# Altium PCB WunderBar_v102b _flip.PcbDoc (part 3 of 7) (continued)
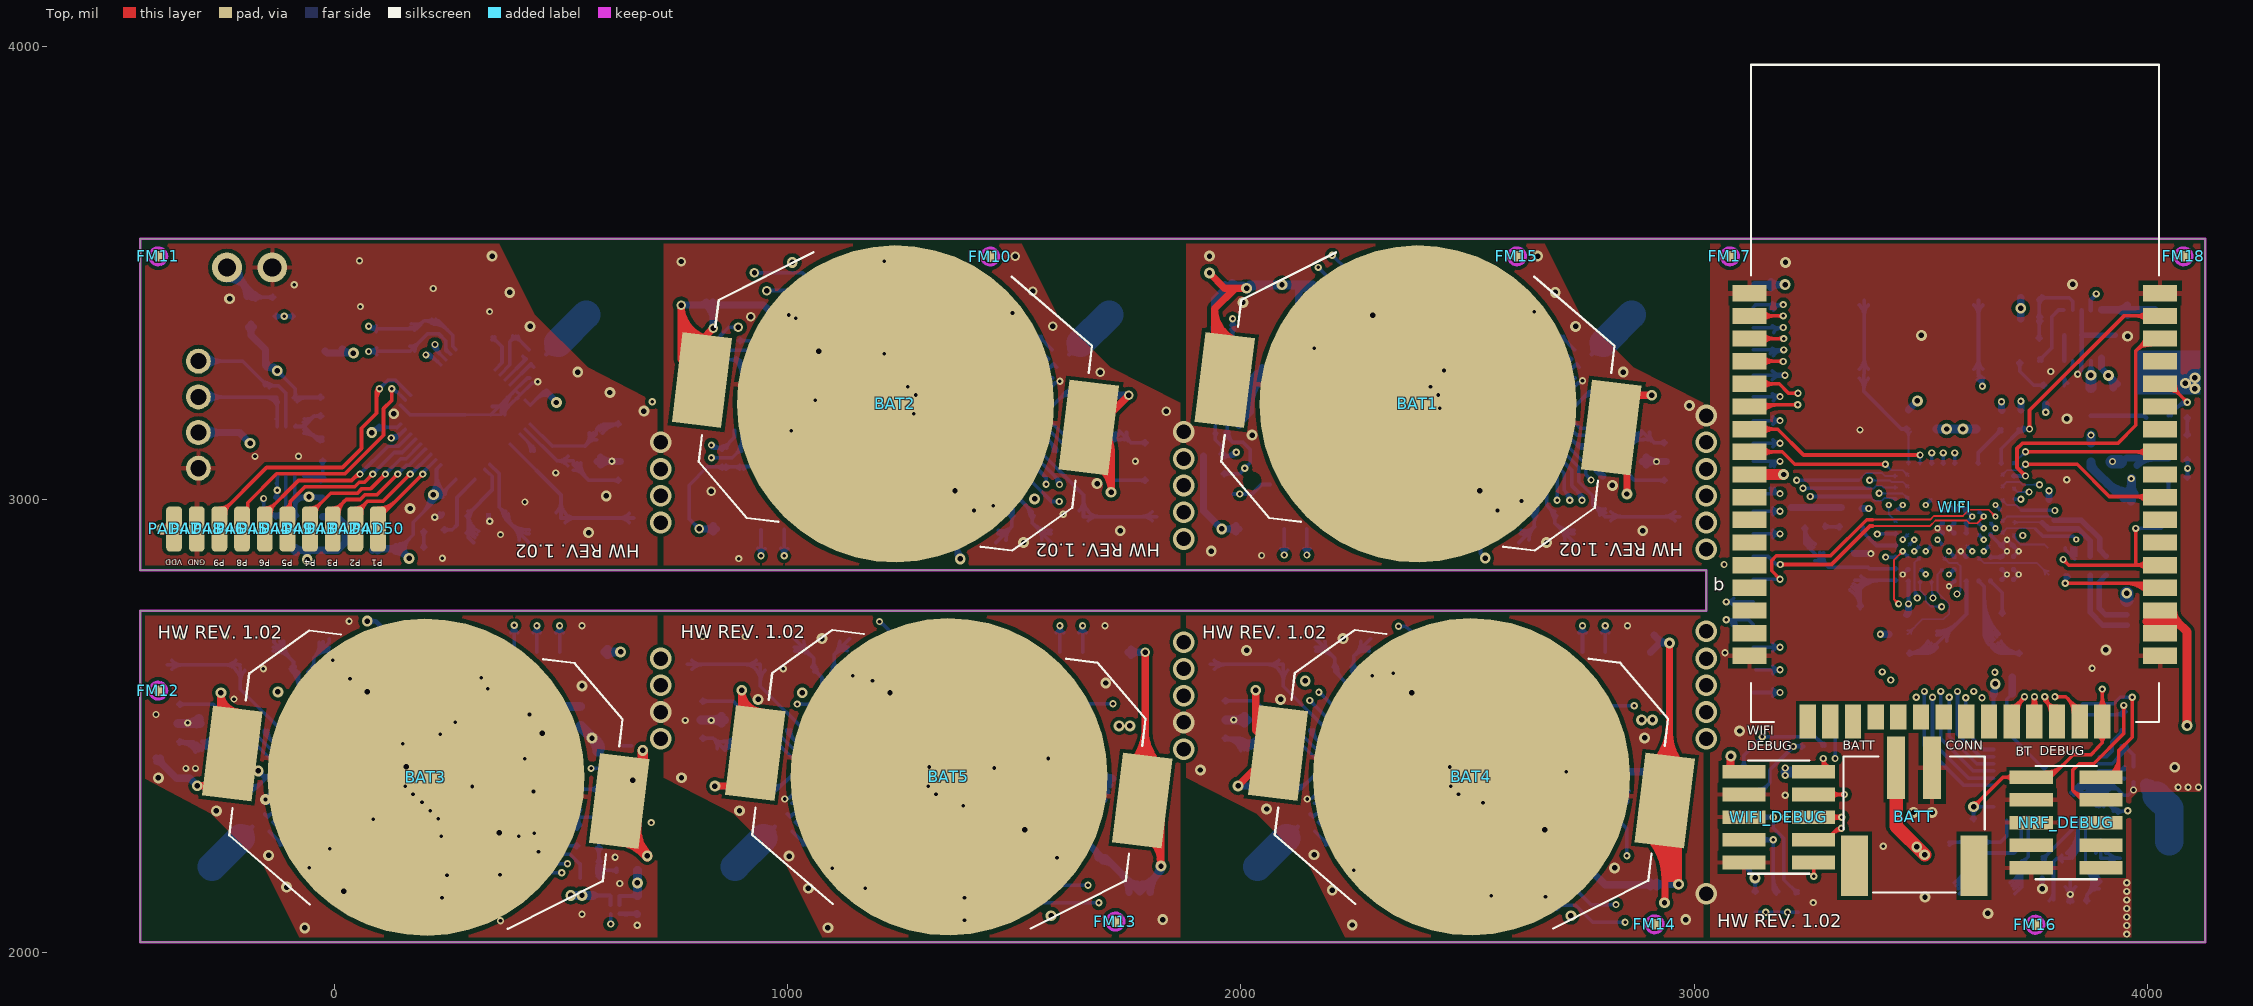
[diagram p0: Top view]
## Nets (pads, with @x,y where several pads share a name; then routed paths per layer and width w, separated by ;. In a path a pad name is that pad's centre, name@x,y a point inside that pad or via, vN(x,y) a via of type N, cw(c..) or ccw(c..) an arc to the next point about the centre after c; other vN are vias at no path point) (continued)
  Route15 w8: v6(890.52,3380.48) 1327.52,3380.48 1633,3075 1633,3020 1609,2996 v1(1599,2996) ; v6@895.12,3375.88 cw(c906.21,3364.79) 906.21,3380.48 cw(c906.21,3396.17) v6@895.12,3385.08 ; v1@1599,2992 ccw(c1599,3006.49) 1609.24,2996.24 ; v1@1599,3000 ccw(c1599,3033.8) 1622.9,3009.9 ; v1@1601.83,2993.17 cw(c1608.66,2986.34) 1608.66,2996 cw(c1608.66,3005.66) v1@1601.83,2998.83
  Bottom w8: v6@885.92,3375.88 ccw(c874.83,3364.79) 874.83,3380.48 ccw(c874.83,3396.17) v6@885.92,3385.08 ; v6(890.52,3380.48) 869.52,3380.48 851.52,3362.48 851.52,3342.48 865.52,3329.48 948.52,3329.48 969.52,3308.48 961.52,3300.48 SENSE2.12@961.52,3268.48 ; 958.71,3319.29 ccw(c969.52,3330.09) R21.1@969.52,3314.81 ; 959.51,3318.49 cw(c949.83,3308.81) R21.1@963.52,3308.81 ; SENSE2.12@961.52,3275.01 cw(c1003.32,3275.01) R21.1@973.76,3304.57 ; 961.52,3294.33 cw(c984.01,3294.33) R21.1@968.11,3310.23 ; BT2.44@1507.52,3089.48 1536,3061 1536,3042 1582,2996 v1(1599,2996) ; v1@1596.17,2993.17 ccw(c1589.34,2986.34) 1589.34,2996 ccw(c1589.34,3005.66) v1@1596.17,2998.83
GYRO_SCL: BT2.42 R19.1 SENSE2.23 | length 1128.9
  Route15 w8: v1(831.52,3092.48) 1540.52,3092.48 v1(1599.52,3033.48) ; v1@834.35,3089.65 cw(c841.18,3082.82) 841.18,3092.48 cw(c841.18,3102.14) v1@834.35,3095.31 ; v1@1595.52,3033.48 ccw(c1585.86,3033.48) 1592.69,3040.31 ccw(c1599.52,3047.14) v1@1599.52,3037.48
  Bottom w8: v1(831.52,3092.48) 877.52,3092.48 898.52,3113.48 SENSE2.23@898.52,3153.48 ; v1@834.35,3089.65 cw(c841.18,3082.82) 841.18,3092.48 cw(c841.18,3102.14) v1@834.35,3095.31 ; 887.71,3102.67 cw(c898.52,3091.87) R19.1@898.52,3107.15 ; 888.51,3103.47 ccw(c878.83,3113.15) R19.1@892.52,3113.15 ; R19.1@894.28,3117.39 ccw(c884.03,3127.63) 898.52,3127.63 ccw(c913.01,3127.63) R19.1@902.76,3117.39 ; BT2.42@1529.52,3111.48 1599.52,3041.48 v1(1599.52,3033.48) ; 1587.03,3053.97 cw(c1566.55,3033.48) v1@1595.52,3033.48
GYRO_SDA: BT2.43 R20.1 SENSE2.24 | length 1207.6
  Route15 w8: v1(831.52,3120.48) 1538.52,3120.48 1619,3040 1619,3026.48 1607.52,3015 1589,3015 v1(1570,3034) ; v1@834.35,3117.65 cw(c841.18,3110.82) 841.18,3120.48 cw(c841.18,3130.14) v1@834.35,3123.31 ; v1@1570,3030 cw(c1570,3020.34) 1576.83,3027.17 cw(c1583.66,3034) v1@1574,3034
  Bottom w8: v1@828.69,3117.65 ccw(c838.76,3127.72) 838.76,3113.48 ; v1@831.52,3116.48 cw(c831.52,3106.82) 838.35,3113.65 cw(c845.18,3120.48) v1@835.52,3120.48 ; v1(831.52,3120.48) 838.52,3113.48 859.52,3113.48 882.52,3137.48 SENSE2.24@882.52,3153.48 ; v1@834.35,3123.31 ccw(c858.08,3147.04) R20.1@858.08,3113.48 ; 844.24,3113.48 cw(c844.24,3097.87) R20.1@855.28,3108.91 ; 845.83,3113.48 ccw(c845.83,3126.84) R20.1@855.28,3117.39 ; R20.1@859.39,3119.15 ccw(c859.1,3132.85) 868.99,3123.37 ; R20.1@865.52,3113.28 cw(c880.78,3113.6) 869.76,3124.16 ; BT2.43@1518.52,3100.48 1570,3049 v1(1570,3034) ; v1@1567.17,3036.83 ccw(c1560.34,3043.66) 1570,3043.66 ccw(c1579.66,3043.66) v1@1572.83,3036.83
L\P\C\_\R\E\S\E\T\: LPC_DEBUG.10 R38.1 RST.P1 RST.P2 U1.J11 | length 2095
  Route2 w8: v2@3134.52,2157.48 cw(c3134.52,2138.17) 3148.18,2151.82 cw(c3161.83,2165.48) v2@3142.52,2165.48 ; v2(3134.52,2165.48) 3164,2136 3315.52,2136 3349.43,2169.91 3349.43,2347.72 3373.91,2372.2 3373.91,2462.95 3363.91,2472.95 3363.91,2814.8 v1(3422.35,2873.25) 3422.35,2923.44 3636,3137.09 v1(3636,3250.48) ; v1@3418.35,2873.25 cw(c3408.69,2873.25) 3415.52,2866.42 cw(c3422.35,2859.59) v1@3422.35,2869.25 ; v1@3419.52,2876.07 ccw(c3412.69,2882.9) 3422.35,2882.9 ccw(c3432.01,2882.9) v1@3425.18,2876.07 ; v1@3633.17,3247.65 cw(c3626.34,3240.82) 3636,3240.82 cw(c3645.66,3240.82) v1@3638.83,3247.65
  Bottom w8: LPC_DEBUG.10@3109.52,2199.48 3109.52,2191.48 v2(3134.52,2165.48) R38.1@3134.52,2131.48 ; v2@3126.52,2165.64 ccw(c3107.21,2166.02) 3121.13,2179.4 ccw(c3135.06,2192.79) v2@3134.68,2173.48 ; v2@3128.86,2159.82 cw(c3115.21,2146.17) 3134.52,2146.17 cw(c3153.83,2146.17) v2@3140.18,2159.82 ; R38.1@3130.28,2135.39 ccw(c3120.03,2145.63) 3134.52,2145.63 ccw(c3149.01,2145.63) R38.1@3138.76,2135.39 ; v1(3422.35,2873.25) U1.J11@3447.26,2873.25 ; v1@3425.18,2870.42 cw(c3432.01,2863.59) 3432.01,2873.25 cw(c3432.01,2882.9) v1@3425.18,2876.07 ; U1.J11@3445.14,2871.12 ccw(c3440.01,2866) 3440.01,2873.25 ccw(c3440.01,2880.49) U1.J11@3445.14,2875.37 ; RST.P2@3617.12,3287.67 ccw(c3592,3312.79) 3627.52,3312.79 ; RST.P1@3617.12,3429.58 cw(c3592,3404.46) 3627.52,3404.46 ; RST.P2@3625.01,3264.36 cw(c3620.6,3249.6) v1@3636,3249.6 ; RST.P2@3627.02,3277.77 3636,3268.79 v1(3636,3250.48) ; RST.P2@3627.3,3272.02 cw(c3623.81,3260.34) RST.P2@3636,3260.34 ; RST.P2@3627.52,3277.48 RST.P1@3627.52,3439.48 ; 3627.52,3310.35 ccw(c3659.6,3310.35) RST.P2@3636.92,3287.67 ; 3627.52,3406.9 cw(c3659.6,3406.9) RST.P1@3636.92,3429.58 ; v1@3633.17,3253.31 ccw(c3626.34,3260.14) 3636,3260.14 ccw(c3645.66,3260.14) v1@3638.83,3253.31 ; RST.P2@3636,3260.83 cw(c3645.95,3260.83) RST.P2@3638.92,3267.87
LED_A: LED10.A R27.1 | length 523.5
  Bottom w16: R27.1@1769.29,2269.23 ccw(c1693.9,2344.62) LED10.A@1800.52,2344.62 ; R27.1@1776.52,2256.5 1800.52,2279.48 LED10.A@1800.52,2388.48 ; R27.1@1780.61,2257.92 ccw(c1732.53,2306) 1800.52,2306 ; LED10.A@1783.55,2357.99 cw(c1742.57,2317.01) LED10.A@1800.52,2317.01 ; LED10.A@1792.43,2320.9 cw(c1772.9,2301.37) 1800.52,2301.37 ; LED10.A@1792.43,2337.43 ccw(c1772.9,2356.96) LED10.A@1800.52,2356.96 ; 1800.52,2300.54 cw(c1829.32,2300.54) LED10.A@1808.96,2320.9 ; 1800.52,2308.73 cw(c1867.09,2308.73) LED10.A@1820.02,2355.81 ; LED10.A@1800.52,2347.36 cw(c1828.47,2347.36) LED10.A@1808.7,2367.12 ; LED10.A@1800.52,2357.79 ccw(c1829.32,2357.79) LED10.A@1808.96,2337.43 ; LED10.A@1802.08,2353.17 ccw(c1814.96,2349.72) LED10.A@1807.36,2338.76 ; LED10.A@1818.79,2353.83 ccw(c1833.46,2344.69) LED10.A@1818.87,2335.43
LED_CTRL: BT5.44 R26.2 T1.1 | length 1152.1
  Route15 w8: v1@1021,2549.48 v1(1717.52,2549.48) ; v1@1023.83,2546.17 cw(c1031.82,2538.18) 1031.82,2549.48 ; v1@1023.83,2551.83 ccw(c1029.5,2557.5) 1029.5,2549.48 ; v1@1714.69,2546.65 ccw(c1707.86,2539.82) 1707.86,2549.48 ccw(c1707.86,2559.14) v1@1714.69,2552.31
  Bottom w8: v1(1021,2549) 1046.29,2549.17 BT5.44@1085.52,2510.48 ; v1@1023.81,2551.85 ccw(c1030.59,2558.72) 1030.66,2549.07 ccw(c1030.72,2539.41) v1@1023.85,2546.19 ; T1.1@1530.12,2444.08 R26.2@1568.52,2482.48 1635.52,2549.48 v1(1717.52,2549.48) ; T1.1@1530.12,2453.69 ccw(c1530.12,2476.9) 1546.53,2460.49 ; T1.1@1540.12,2443.69 cw(c1565.19,2443.69) 1547.46,2461.42 ; R26.2@1562.52,2482.48 cw(c1548.03,2482.48) 1558.28,2472.24 cw(c1568.52,2461.99) R26.2@1568.52,2476.48 ; R26.2@1568.52,2488.48 ccw(c1568.52,2502.97) 1578.76,2492.72 ccw(c1589.01,2482.48) R26.2@1574.52,2482.48 ; v1@1714.69,2546.65 ccw(c1707.86,2539.82) 1707.86,2549.48 ccw(c1707.86,2559.14) v1@1714.69,2552.31
LIGHT_INT: BT1.44 R10.1 SENSE3.5 | length 1164.4
  Route15 w8: v1(2008.52,3069.48) 2627.52,3069.48 v1(2697.52,2998.48) ; v1@2011.35,3066.65 cw(c2018.18,3059.82) 2018.18,3069.48 cw(c2018.18,3079.14) v1@2011.35,3072.31 ; v1@2693.52,2998.51 ccw(c2683.86,2998.58) 2690.74,3005.36 ccw(c2697.62,3012.14) v1@2697.55,3002.48
  Bottom w8: R10.1@1958.52,3057.48 1997.52,3057.48 v1(2008.52,3069.48) 2020.52,3081.48 2020.52,3110.48 2004.52,3126.48 1981.52,3126.48 ; R10.1@1963.43,3053.24 cw(c1973.67,3042.99) 1973.67,3057.48 cw(c1973.67,3071.97) R10.1@1963.43,3061.72 ; SENSE3.5@1965.54,3149.89 ccw(c1979.69,3148.43) 1969.63,3138.37 ; SENSE3.5@1966.69,3146.65 cw(c1959.86,3139.82) 1969.52,3139.82 cw(c1979.18,3139.82) SENSE3.5@1972.35,3146.65 ; SENSE3.5@1969.52,3163.48 1969.52,3138.48 1981.52,3126.48 ; SENSE3.5@1973.5,3149.07 ccw(c2001.24,3146.2) 1981.52,3126.48 ; v1@2004.52,3069.31 cw(c1994.88,3068.89) 2001.99,3062.36 cw(c2009.11,3055.84) v1@2008.69,3065.48 ; v1@2008.52,3073.48 ccw(c2008.52,3083.14) 2015.35,3076.31 ccw(c2022.18,3069.48) v1@2012.52,3069.48 ; BT1.44@2661.52,3089.48 2697.52,3052.48 v1(2697.52,2998.48) ; v1@2694.69,3001.31 ccw(c2687.86,3008.14) 2697.52,3008.14 ccw(c2707.18,3008.14) v1@2700.35,3001.31
LIGHT_SCL: BT1.42 R12.1 SENSE3.2 | length 1480.9
  Route15 w8: v1@1981.52,3395 cw(c1981.52,3385.34) 1988.35,3392.17 cw(c1995.18,3399) v1@1985.52,3399 ; v1(1981.52,3399) 2225.04,3155.48 2605.52,3155.48 2752.52,3008.48 v1(2752.52,2998.48) ; 2738.62,3022.38 cw(c2714.72,2998.48) v1@2748.52,2998.48 ; v1@2749.69,3001.31 ccw(c2742.86,3008.14) 2752.52,3008.14 ccw(c2762.18,3008.14) v1@2755.35,3001.31 ; 2752.28,3008.72 cw(c2742.03,2998.48) v1@2756.52,2998.48
  Bottom w8: SENSE3.2@1966.69,3243.8 ccw(c1959.86,3250.63) 1969.52,3250.63 ccw(c1979.18,3250.63) SENSE3.2@1972.35,3243.8 ; SENSE3.2@1969.52,3226.48 1969.52,3264.48 1981.52,3275.48 1981.52,3379.48 1982.52,3380.48 1981.52,3381.48 v1(1981.52,3399) ; R12.1@1977.95,3376.24 cw(c1969.32,3367.61) 1981.52,3367.61 ; R12.1@1977.95,3384.72 ccw(c1969.32,3393.35) v1@1981.52,3393.35 ; v1@1978.69,3396.17 cw(c1971.86,3389.34) 1981.52,3389.34 cw(c1991.18,3389.34) v1@1984.35,3396.17 ; v1@1978.75,3396.11 cw(c1974.22,3391.39) R12.1@1980.54,3389.7 ; v1@1979.52,3395.54 cw(c1975.76,3389.02) 1983.02,3390.97 ; 1981.52,3364.38 cw(c1998.29,3364.38) R12.1@1986.43,3376.24 ; v1@1981.52,3396.58 ccw(c1998.29,3396.58) R12.1@1986.43,3384.72 ; R12.1@1983.49,3389.24 cw(c1992.16,3391.57) v1@1984.8,3396.71 ; BT1.42@2683.52,3111.48 2729.52,3065.48 2729.52,3031.48 2752.52,3008.48 v1(2752.52,2998.48) ; 2738.62,3022.38 cw(c2714.72,2998.48) v1@2748.52,2998.48 ; v1@2749.69,3001.31 ccw(c2742.86,3008.14) 2752.52,3008.14 ccw(c2762.18,3008.14) v1@2755.35,3001.31 ; 2752.28,3008.72 cw(c2742.03,2998.48) v1@2756.52,2998.48
LIGHT_SCL1: BT4.43 R24.1 SENSE1.6 | length 1230.8
  Route15 w8: v1(2152,2557) 2509,2557 v1(2851.52,2214.48) ; v1@2154.83,2554.17 cw(c2161.66,2547.34) 2161.66,2557 cw(c2161.66,2566.66) v1@2154.83,2559.83 ; v1@2847.52,2214.48 ccw(c2837.86,2214.48) 2844.69,2221.31 ccw(c2851.52,2228.14) v1@2851.52,2218.48
  Bottom w8: v1@2152,2553 cw(c2152,2543.34) 2158.83,2550.17 cw(c2165.66,2557) v1@2156,2557 ; v1(2152,2557) 2194,2515 2211.14,2515 BT4.43@2226.36,2499.78 ; R24.1@2823.52,2296.15 cw(c2823.52,2280.87) 2834.33,2291.67 ; R24.1@2823.52,2308.15 ccw(c2823.52,2321.84) 2833.2,2312.16 ; 2833.53,2292.47 cw(c2843.21,2302.15) 2829.52,2302.15 cw(c2844.8,2302.15) 2834,2312.96 ; v1@2848.69,2217.31 ccw(c2841.86,2224.14) 2851.52,2224.14 ccw(c2861.18,2224.14) v1@2854.35,2217.31 ; SENSE1.6@2850.84,2357.28 cw(c2844.37,2350.81) 2853.52,2350.81 ; v1(2851.52,2214.48) 2851.52,2274.48 2823.52,2302.48 2853.52,2332.48 SENSE1.6@2853.52,2360.48 ; 2853.52,2350.09 cw(c2863.69,2350.09) SENSE1.6@2856.5,2357.28
LIGHT_SDA: BT1.43 R9.1 SENSE3.6 | length 1262.7
  Route15 w8: v1(1989.52,3104.48) 2630.52,3104.48 2725.52,3010.48 v1(2725.52,2998.48) ; v1@1992.35,3101.65 cw(c1999.18,3094.82) 1999.18,3104.48 cw(c1999.18,3114.14) v1@1992.35,3107.31 ; 2710.02,3025.82 cw(c2682.74,2998.25) v1@2721.52,2998.46 ; v1@2722.69,3001.31 ccw(c2715.86,3008.14) 2725.52,3008.14 ccw(c2735.18,3008.14) v1@2728.35,3001.31 ; 2723.75,3012.24 cw(c2710.05,2998.4) v1@2729.52,2998.5
  Bottom w8: SENSE3.6@1940.69,3146.65 cw(c1933.86,3139.82) 1943.52,3139.82 cw(c1953.18,3139.82) SENSE3.6@1946.35,3146.65 ; SENSE3.6@1943.52,3163.48 1943.52,3132.48 1957.52,3118.48 1957.52,3097.48 1958.52,3096.48 1981.52,3096.48 v1(1989.52,3104.48) ; R9.1@1954.95,3100.72 ccw(c1948.73,3106.94) 1957.52,3106.94 ; 1957.52,3115 ccw(c1977.7,3115) 1963.43,3100.72 ccw(c1973.67,3110.97) 1973.67,3096.48 ccw(c1973.67,3081.99) R9.1@1963.43,3092.24 ; R9.1@1960.55,3096.48 ccw(c1960.55,3133.45) v1@1986.69,3107.31 ; 1979.86,3096.48 ccw(c1979.86,3114.14) v1@1992.35,3101.65 ; v1@1985.52,3104.48 cw(c1975.86,3104.48) 1982.69,3097.65 cw(c1989.52,3090.82) v1@1989.52,3100.48 ; BT1.43@2672.52,3100.48 2713.52,3058.48 2713.52,3020.48 ; v1@2721.53,2998.79 ccw(c2693.98,3000.94) 2713.52,3020.48 ; v1@2722.69,3001.31 ccw(c2715.86,3008.14) 2725.52,3008.14 ccw(c2735.18,3008.14) v1@2728.35,3001.31 ; v1(2725.52,2998.48) 2725.52,3008.48 2713.52,3020.48 ; 2725.8,3008.2 cw(c2716.77,2999.16) v1@2729.51,2998.17
LIGHT_SDA1: BT4.44 R23.1 SENSE1.1 | length 1341.5
  Route15 w8: v1(2172,2575) 2344,2575 2367,2598 2815,2598 v1(2867.52,2545.48) ; v1@2174.83,2572.17 cw(c2181.66,2565.34) 2181.66,2575 cw(c2181.66,2584.66) v1@2174.83,2577.83 ; v1@2863.52,2545.48 ccw(c2853.86,2545.48) 2860.69,2552.31 ccw(c2867.52,2559.14) v1@2867.52,2549.48
  Bottom w8: v1@2172,2571 cw(c2172,2557.95) 2181.23,2567.18 ; v1(2172,2575) 2173.41,2575 BT4.44@2237.49,2510.92 ; 2731.97,2360.48 cw(c2731.97,2349.56) SENSE1.1@2739.69,2357.28 ; 2733.76,2360.48 ccw(c2733.76,2368.87) SENSE1.1@2739.69,2362.94 ; SENSE1.1@2743.69,2357.28 cw(c2734.45,2348.04) 2747.52,2348.04 ; 2762.26,2313.15 cw(c2751.26,2302.57) R23.1@2766.52,2302.27 ; 2763.03,2312.35 ccw(c2772.91,2321.85) R23.1@2772.64,2308.15 ; R23.1@2772.52,2302.48 2747.52,2328.48 2747.52,2360.48 2713.52,2360.48 2693.52,2380.48 2693.52,2459.48 2780.52,2545.48 v1(2867.52,2545.48) ; v1@2864.69,2542.65 ccw(c2857.86,2535.82) 2857.86,2545.48 ccw(c2857.86,2555.14) v1@2864.69,2548.31
LPC_!TRST: R40.1 U1.K7 | length 274.9
  Bottom w4: R40.1@3470.91,2703.32 3503.58,2736 3550,2736 3562.72,2748.72 3562.72,2769.78 3536.84,2795.65 3536.84,2834.87 U1.K7@3549.64,2847.67 ; R40.1@3470.91,2711.32 ccw(c3470.91,2730.64) 3484.56,2716.98 ccw(c3498.22,2703.32) R40.1@3478.91,2703.32 ; U1.K7@3544.64,2847.67 cw(c3532.56,2847.67) 3541.1,2839.13 cw(c3549.64,2830.6) U1.K7@3549.64,2842.67
LPC_LED: R17.2 U1.H11 | length 124.3
  Bottom w8: R17.2@3369.52,2931.44 3402.11,2898.85 U1.H11@3447.26,2898.85 ; R17.2@3372.52,2939.85 ccw(c3400.07,2939.85) 3380.59,2920.37 ; U1.H11@3445.14,2896.73 ccw(c3440.01,2891.61) 3440.01,2898.85 ccw(c3440.01,2906.09) U1.H11@3445.14,2900.97
LPC_LED_LIM: LED5.A R17.1 | length 84.8
  Bottom w8: LED5.A@3285.52,2939.85 R17.1@3324.85,2939.85 ; LED5.A@3288.76,2936.61 cw(c3296.59,2928.78) 3296.59,2939.85 ; LED5.A@3288.76,2945.09 ccw(c3301.42,2957.75) 3301.42,2939.85 ; R17.1@3320.61,2935.61 ccw(c3310.37,2925.37) 3310.37,2939.85 ccw(c3310.37,2954.34) R17.1@3320.61,2944.09
LPC_SWDCLK: LPC_DEBUG.4 R15.1 U1.J6 | length 1264.3
  Route2 w4: v3@3562.41,2881.03 cw(c3562.41,2868.96) 3570.95,2877.5 cw(c3579.48,2886.03) v3@3567.41,2886.03 ; v3(3562.41,2886.03) 3580.47,2867.97 3580.47,2814.22 3596.82,2797.86 3596.82,2784.01
  Route2 w8: 3596.82,2784.01 3596.82,2743.51 3635,2705.33 v1(3635,2563.01) ; v1@3632.17,2565.84 ccw(c3625.34,2572.67) 3635,2572.67 ccw(c3644.66,2572.67) v1@3637.83,2565.84
  Route15 w8: v1(3219,2455.33) 3285.67,2522 3604.67,2522 3635,2552.33 v1(3635,2563.01) ; v1@3219,2459.33 ccw(c3219,2468.99) 3225.83,2462.16 ccw(c3232.66,2455.33) v1@3223,2455.33 ; 3620.62,2537.96 ccw(c3595.57,2563.01) v1@3631,2563.01 ; v1@3632.17,2560.18 cw(c3625.34,2553.35) 3635,2553.35 cw(c3644.66,2553.35) v1@3637.83,2560.18 ; 3634.28,2551.62 ccw(c3622.89,2563.01) v1@3639,2563.01
  Bottom w4: U1.J6@3575.22,2873.24 U1.J6@3577.02,2871.44
  Bottom w8: LPC_DEBUG.4@3109.52,2349.48 3141.48,2349.48 3167,2375 3167,2403.33 v1(3219,2455.33) ; LPC_DEBUG.4@3142.02,2360.48 ccw(c3142.02,2385.73) 3159.88,2367.88 ; LPC_DEBUG.4@3153.02,2349.48 cw(c3180.88,2349.48) 3161.18,2369.18 ; v1@3215,2455.33 cw(c3205.34,2455.33) 3212.17,2448.5 cw(c3219,2441.67) v1@3219,2451.33 ; v1@3220.52,2455.48 R15.1@3241.52,2455.48 ; v1@3221.33,2458.58 ccw(c3228.13,2468.08) 3231.15,2456.8 ; v1@3221.83,2452.5 cw(c3229.02,2445.31) 3229.02,2455.48 ; v1@3221.83,2458.16 ccw(c3228.3,2464.63) 3228.3,2455.48 ; v1@3226.24,2455.48 ccw(c3226.24,2471.09) R15.1@3237.28,2460.05 ; 3227.83,2455.48 cw(c3227.83,2442.12) R15.1@3237.28,2451.57 ; v3@3562.41,2883.03 cw(c3562.41,2875.76) 3567.55,2880.9 ; v3(3562.41,2886.03) U1.J6@3575.22,2873.24 ; v3@3565.41,2886.03 ccw(c3572.63,2886.03) 3567.53,2880.93 ; U1.J6@3572.22,2873.24 ccw(c3564.98,2873.24) 3570.1,2878.36 ccw(c3575.22,2883.48) U1.J6@3575.22,2876.24
LPC_SWDIO: LPC_DEBUG.2 R41.1 U1.H9 | length 1162.7
  Route2 w4: 3405.09,2805.5 v3(3485.58,2885.98) ; v3@3480.58,2885.98 cw(c3468.51,2885.98) 3477.04,2877.45 cw(c3485.58,2868.91) v3@3485.58,2880.98
  Route2 w8: 3405.09,2805.5 3405.09,2743.91 3434,2715 v1(3434,2602) ; v1@3431.17,2604.83 ccw(c3424.34,2611.66) 3434,2611.66 ccw(c3443.66,2611.66) v1@3436.83,2604.83
  Route15 w8: v1(3150.47,2476.49) 3275.98,2602 v1(3434,2602) ; v1@3150.47,2480.49 ccw(c3150.47,2490.15) 3157.3,2483.32 ccw(c3164.13,2476.49) v1@3154.47,2476.49 ; v1@3431.17,2599.17 ccw(c3424.34,2592.34) 3424.34,2602 ccw(c3424.34,2611.66) v1@3431.17,2604.83
  Bottom w4: v3@3485.02,2890.95 ccw(c3483.76,2902.14) U1.H9@3493.5,2896.51 ; v3(3485.58,2885.98) U1.H9@3498.45,2898.83 ; v3@3485.58,2890.98 ccw(c3485.58,2903.11) U1.H9@3494.16,2894.54 ; v3@3486.87,2890.81 ccw(c3488.61,2897.3) 3491.97,2891.48 ; v3@3490.41,2887.28 cw(c3496.79,2888.99) 3491.07,2892.29 ; v3@3490.55,2885.41 cw(c3501.76,2884.1) U1.H9@3496.11,2893.88 ; v3@3490.58,2885.98 cw(c3502.6,2885.98) U1.H9@3494.1,2894.48 ; U1.H9@3493.45,2898.83 cw(c3481.38,2898.83) 3489.92,2890.3 cw(c3498.45,2881.76) U1.H9@3498.45,2893.83
  Bottom w8: LPC_DEBUG.2@3101.74,2407.26 ccw(c3082.96,2426.04) 3109.52,2426.04 ccw(c3136.08,2426.04) LPC_DEBUG.2@3117.3,2407.26 ; LPC_DEBUG.2@3120.52,2399.48 LPC_DEBUG.2@3109.52,2399.48 3109.52,2435.52 v1(3150.47,2476.49) 3267.52,2476.48 R41.1@3288.52,2456.48 ; v1@3146.47,2476.49 cw(c3136.77,2476.49) 3143.63,2469.63 cw(c3150.47,2462.88) v1@3150.47,2472.49 ; v1@3153.3,2473.66 cw(c3160.11,2466.85) 3160.11,2476.48 ; v1@3153.3,2479.32 ccw(c3160.15,2486.17) 3160.15,2476.48 ; 3277.52,2466.96 cw(c3266.39,2455.27) R41.1@3282.52,2455.66 ; R41.1@3279.21,2465.34 ccw(c3288.06,2474.64) R41.1@3288.37,2461.81
LPC_SWO: LPC_DEBUG.6 R14.1 U1.J7 | length 1466.2
  Route2 w8: v1@3577.17,2789.17 cw(c3570.34,2782.34) 3580,2782.34 cw(c3589.66,2782.34) v1@3582.83,2789.17 ; v1(3580,2792) 3580,2740.67 3617,2703.67 v1(3617,2577) ; v1@3614.17,2579.83 ccw(c3607.34,2586.66) 3617,2586.66 ccw(c3626.66,2586.66) v1@3619.83,2579.83
  Route15 w8: v1@3171.69,2302.31 ccw(c3164.86,2309.14) 3174.52,2309.14 ccw(c3184.18,2309.14) v1@3177.35,2302.31 ; v1(3174.52,2299.48) 3174.52,2443.52 3271,2540 3603,2540 3617,2554 v1(3617,2577) ; v1@3614.17,2574.17 cw(c3607.34,2567.34) 3617,2567.34 cw(c3626.66,2567.34) v1@3619.83,2574.17
  Bottom w4: U1.J7@3549.64,2868.25 cw(c3549.64,2856.18) 3558.17,2864.72 cw(c3566.71,2873.25) U1.J7@3554.64,2873.25 ; U1.J7@3549.64,2873.25 3562.73,2860.15 3580.85,2860.15 3588,2853 3588,2800 ; v1(3580,2792) 3588,2800 ; v1@3581.13,2797.89 ccw(c3582.58,2805.42) 3588,2800 ; v1@3585.89,2793.13 cw(c3593.42,2794.58) 3588,2800
  Bottom w8: LPC_DEBUG.6@3109.52,2299.48 v1(3174.52,2299.48) 3174.52,2275.36 3197.52,2252.36 3197.52,2161.48 3228.52,2131.48 R14.1@3229.52,2131.48 ; LPC_DEBUG.6@3149.8,2291.7 cw(c3168.58,2272.92) 3168.58,2299.48 cw(c3168.58,2326.04) LPC_DEBUG.6@3149.8,2307.26 ; 3161.21,2297.51 cw(c3165.07,2283.1) v1@3172.52,2296.02 ; 3161.21,2301.46 ccw(c3165.07,2315.86) v1@3172.52,2302.94 ; v1@3171.69,2302.31 cw(c3164.86,2309.14) 3164.86,2299.48 cw(c3164.86,2289.82) 3171.69,2296.65 cw(c3164.86,2289.82) 3174.52,2289.82 cw(c3184.18,2289.82) v1@3177.35,2296.65 ; 3218,2141.66 ccw(c3229.16,2153.19) R14.1@3229.42,2137.15 ; R14.1@3219.59,2140.13 cw(c3210.6,2130.84) R14.1@3223.52,2131.05
LPC_TDI: LPC_DEBUG.8 R39.1 U1.H8 | length 1488
  Route2 w4: 3419,2793.82 3428,2802.82 3449.09,2802.82 3485.99,2839.72 3485.99,2860.81 v3(3511.16,2885.98) ; v3@3506.16,2885.98 cw(c3494.09,2885.98) 3502.63,2877.45 cw(c3511.16,2868.91) v3@3511.16,2880.98
  Route2 w8: 3419,2793.82 3419,2750 3489,2680 ; v1@3487.17,2566.83 ccw(c3480.34,2573.66) 3490,2573.66 ccw(c3499.66,2573.66) v1@3492.83,2566.83 ; v1(3490,2564) 3490,2680
  Route15 w8: v1@3170.52,2249.48 ccw(c3160.86,2249.48) 3167.69,2256.31 ccw(c3174.52,2263.14) v1@3174.52,2253.48 ; v1(3174.52,2249.48) 3154,2270 3154,2452.29 3259.71,2558 3484,2558 v1(3490,2564) ; 3465.86,2558 ccw(c3465.86,2588.14) v1@3487.17,2566.83
  Bottom w4: v3@3510.59,2890.95 ccw(c3509.31,2902.16) U1.H8@3519.09,2896.52 ; v3(3511.16,2885.98) U1.H8@3524.04,2898.85 ; v3@3511.16,2890.98 ccw(c3511.16,2903.07) 3519.71,2894.52 ccw(c3528.22,2885.98) v3@3516.16,2885.98 ; v3@3512.46,2890.81 ccw(c3514.18,2897.26) 3517.52,2891.48 ; v3@3515.99,2887.28 cw(c3522.4,2889) 3516.66,2892.31 ; v3@3516.13,2885.41 cw(c3527.35,2884.11) U1.H8@3521.7,2893.9 ; U1.H8@3519.04,2898.85 cw(c3506.97,2898.85) 3515.5,2890.31 cw(c3524.04,2881.78) U1.H8@3524.04,2893.85
  Bottom w8: LPC_DEBUG.8@3109.52,2249.48 v1(3174.52,2249.48) 3174.52,2139.48 R39.1@3182.52,2131.48 ; LPC_DEBUG.8@3149.8,2241.7 cw(c3168.58,2222.92) 3168.58,2249.48 cw(c3168.58,2276.04) LPC_DEBUG.8@3149.8,2257.26 ; 3161.21,2247.51 cw(c3165.07,2233.1) v1@3172.52,2246.02 ; 3161.21,2251.46 ccw(c3165.07,2265.86) v1@3172.52,2252.94 ; v1@3171.69,2252.31 cw(c3164.86,2259.14) 3164.86,2249.48 cw(c3164.86,2239.82) 3171.69,2246.65 cw(c3164.86,2239.82) 3174.52,2239.82 cw(c3184.18,2239.82) v1@3177.35,2246.65 ; 3174.52,2145.63 ccw(c3197.01,2145.63) R39.1@3181.11,2129.74 ; 3174.52,2164.95 ccw(c3216.32,2164.95) R39.1@3186.76,2135.39
MIC_SENSE: BT6.10 C84.2 U3.5 | length 326.4
  Bottom w8: BT6.10@117.62,2454.63 210.19,2547.2 C84.2@291.92,2547.2 325.32,2547.2 ; C84.2@287.68,2542.96 ccw(c277.43,2532.72) 277.43,2547.2 ccw(c277.43,2561.69) C84.2@287.68,2551.45 ; C84.2@296.16,2542.96 cw(c306.4,2532.72) 306.4,2547.2 cw(c306.4,2561.69) C84.2@296.16,2551.45 ; 317.02,2547.2 ccw(c317.02,2567.26) U3.5@331.2,2553.08 ; U3.5@330.06,2551 cw(c325.32,2552.05) 325.32,2547.2 ; U3.5@334.2,2538.32 325.32,2547.2
NetBT1_5: BT1.5 R54.2 | length 120.7
  Bottom w8: R54.2@2496.29,3050.94 ccw(c2491.57,3058.5) 2500.49,3058.5 ; R54.2@2497.46,3045.85 cw(c2520.72,3045.85) 2504.28,3062.3 ; R54.2@2500.49,3049.41 2500.49,3058.51 ; 2500.49,3057.87 ccw(c2511.48,3057.87) R54.2@2503.71,3050.09 ; R54.2@2505.46,3045.85 cw(c2548.04,3045.85) 2517.93,3075.95 ; BT1.5@2530.37,3088.39 2500.49,3058.51
NetBT1_41: BT1.41 BTN1.P3 BTN1.P4 | length 539.1
  Bottom w8: BT1.41@2694.52,3122.48 2745.52,3071.48 2745.52,3039.48 2776.52,3008.48 2776.52,2988.48 ; 2786.36,2978.64 cw(c2773.2,2965.48) BTN1.P4@2791.81,2965.48 ; BTN1.P4@2787.86,2977.14 ccw(c2802.15,2991.43) BTN1.P4@2804.97,2971.42 ; BTN1.P4@2803.85,2979.34 cw(c2799.34,3011.3) 2776.52,2988.48 ; BTN1.P4@2815.71,2953.58 cw(c2837.2,2932.1) 2837.2,2962.48 ; BTN1.P4@2815.71,2973.38 ccw(c2842.02,2999.69) 2842.02,2962.48 ; 2931.31,2962.48 ccw(c2931.31,2999.69) BTN1.P3@2957.62,2973.38 ; 2936.13,2962.48 cw(c2936.13,2932.1) BTN1.P3@2957.62,2953.58 ; BTN1.P3@2967.52,2962.48 2806.52,2962.48 2802.52,2962.48 2776.52,2988.48
NetBT2_5: BT2.5 R55.2 | length 93.6
  Bottom w8: R55.2@1345.72,3049.23 cw(c1363.84,3049.23) 1351.02,3062.04 ; R55.2@1348.72,3050.23 1348.72,3059.74 BT2.5@1377.37,3088.39 ; R55.2@1353.72,3049.23 cw(c1391.15,3049.23) 1364.68,3075.7
NetBT2_41: BT2.41 BTN2.P3 BTN2.P4 | length 527.7
  Bottom w8: BT2.41@1540.52,3122.48 1652.52,3010.48 1652.52,2962.48 BTN2.P3@1814.52,2962.48 ; BTN2.P4@1642.91,2975.38 ccw(c1619.72,2998.58) 1652.52,2998.58 ; 1652.52,2999.98 ccw(c1687.31,2999.98) BTN2.P4@1662.71,2975.38 ; BTN2.P4@1662.71,2953.58 cw(c1684.2,2932.1) 1684.2,2962.48 ; BTN2.P4@1662.71,2973.38 ccw(c1689.02,2999.69) 1689.02,2962.48 ; 1778.31,2962.48 ccw(c1778.31,2999.69) BTN2.P3@1804.62,2973.38 ; 1783.13,2962.48 cw(c1783.13,2932.1) BTN2.P3@1804.62,2953.58
NetBT4_5: BT4.5 R57.2 | length 87.1
  Bottom w8: BT4.5@2368.67,2510.58 2393.25,2535.16 R57.2@2393.25,2544.5 ; BT4.5@2376.41,2518.31 ccw(c2350.22,2544.5) R57.2@2387.25,2544.5 ; 2390.06,2531.97 ccw(c2377.53,2544.5) R57.2@2395.25,2544.5
NetBT4_46: BT4.46 C98.2 X4.1 | length 342.2
  Bottom w8: C98.2@2243.28,2622.24 cw(c2230.62,2609.58) 2248.52,2609.58 ; C98.2@2243.28,2630.72 ccw(c2230.62,2643.38) 2248.52,2643.38 ; 2248.45,2654.41 cw(c2277.45,2626.15) X4.1@2283.34,2666.21 ; 2248.52,2550.33 ccw(c2262.76,2550.33) 2252.69,2540.26 cw(c2253.87,2545.48) 2248.52,2545.48 ; 2248.52,2614.41 cw(c2259.59,2614.41) C98.2@2251.76,2622.24 ; 2248.52,2638.55 ccw(c2259.59,2638.55) C98.2@2251.76,2630.72 ; 2253.21,2659.3 ccw(c2224.6,2687.18) X4.1@2264.55,2687.69 ; 2259.38,2665.63 cw(c2280.27,2645.28) X4.1@2284.51,2674.13 ; BT4.46@2260.52,2532.48 2248.52,2545.48 ; X4.1@2286.54,2693.48 2248.52,2654.48 2248.52,2626.48 2248.52,2545.48
NetBT5_5: BT5.5 R58.2 | length 86.6
  Bottom w8: BT5.5@1215.67,2510.58 1240.49,2535.39 R58.2@1240.49,2544.56 ; BT5.5@1223.76,2518.66 ccw(c1197.87,2544.56) R58.2@1234.49,2544.56 ; 1237.42,2532.32 ccw(c1225.18,2544.56) R58.2@1242.49,2544.56
NetBT6_5: BT6.5 R43.2 | length 88.6
  Bottom w8: BT6.5@61.67,2510.58 87.91,2536.81 R43.2@87.91,2545.98 ; BT6.5@71.19,2520.09 ccw(c45.29,2545.98) R43.2@81.91,2545.98 ; 84.84,2533.74 ccw(c72.61,2545.98) R43.2@89.91,2545.98
NetC82_1: C82.1 R59.1 R61.2 U4.4 | length 448.9
  Bottom w8: R61.2@464.14,2393.68 cw(c417.34,2346.89) 483.52,2346.89 ; R61.2@469.79,2399.34 cw(c436.65,2366.2) 483.52,2366.2 ; R61.2@472.27,2403.31 483.52,2392.06 483.52,2339.76 R59.1@494.03,2329.25 ; R61.2@475.45,2405 cw(c455.97,2385.51) 483.52,2385.51 ; 483.52,2359.46 ccw(c522.74,2359.46) R59.1@495.01,2331.73 ; 483.52,2361.42 C82.1@538.7,2361.42 573.83,2361.42 U4.4@583.19,2352.07 ; 483.52,2378.77 ccw(c542.05,2378.77) R59.1@500.66,2337.38 ; C82.1@534.46,2357.18 ccw(c524.22,2346.94) 524.22,2361.42 ccw(c524.22,2375.91) C82.1@534.46,2365.66 ; C82.1@542.94,2357.18 cw(c553.19,2346.94) 553.19,2361.42 cw(c553.19,2375.91) C82.1@542.94,2365.66 ; 563.13,2361.42 cw(c563.13,2340.87) U4.4@577.66,2355.4 ; 565.53,2361.42 ccw(c565.53,2378.58) U4.4@577.66,2366.45
NetC82_2: C82.2 R59.2 R62.1 U4.1 | length 438.9
  Bottom w8: R59.2@494.03,2267.75 503.94,2277.66 R62.1@538.7,2277.66 ccw(c538.7,2234.94) R59.2@504.69,2260.79 ; R59.2@498.32,2265.63 cw(c522.57,2247.2) 522.57,2277.66 ; R62.1@533.5,2280.66 cw(c520.96,2287.9) 524.71,2273.91 cw(c528.46,2259.92) R62.1@535.7,2272.47 ; R62.1@534.46,2273.42 ccw(c524.22,2263.18) 524.22,2277.66 ccw(c524.22,2292.15) 534.46,2281.9 ccw(c524.22,2292.15) 538.7,2292.15 ccw(c553.19,2292.15) R62.1@542.94,2281.9 ; C82.2@534.46,2315.51 cw(c524.22,2305.27) 538.7,2305.27 cw(c553.19,2305.27) C82.2@542.94,2315.51 ; R62.1@538.7,2279.08 538.7,2299 ; C82.2@538.7,2319.75 538.7,2299 ; U4.1@652.47,2260.15 ccw(c639.13,2273.48) 657.99,2273.48 ccw(c676.85,2273.48) U4.1@663.51,2260.15 ; U4.1@657.99,2245.77 657.99,2280.01 639,2299 538.7,2299
NetC83_1: C83.1 R60.2 R61.1 R64.1 | length 318.6
  Bottom w8: C83.1@490.48,2497.79 cw(c480.24,2487.55) 494.72,2487.55 cw(c509.21,2487.55) C83.1@498.96,2497.79 ; 494.72,2469.37 ccw(c519.41,2469.37) 501.95,2451.91 ccw(c512.19,2462.15) 512.19,2447.67 ccw(c512.19,2433.18) R64.1@501.95,2443.43 ; C83.1@494.72,2502.03 494.72,2449.98 497.03,2447.67 R64.1@497.71,2447.67 R60.2@539.03,2447.67 539.03,2408.58 R61.1@533.77,2403.31 ; R61.1@525.64,2412.95 ccw(c493.3,2445.29) R60.2@539.03,2445.29 ; R61.1@531.29,2407.29 ccw(c512.61,2425.97) 539.03,2425.97 ; R60.2@534.79,2451.91 cw(c524.55,2462.15) 524.55,2447.67 cw(c524.55,2433.18) 534.79,2443.43 cw(c524.55,2433.18) 539.03,2433.18 cw(c553.52,2433.18) R60.2@543.27,2443.43 ; R61.1@539.03,2419.87 ccw(c548.82,2419.87) R61.1@541.9,2412.95
NetC83_2: C83.2 U2.4 | length 49
  Bottom w8: U2.4@542.05,2543.7 U2.4@543.23,2544.88
  Bottom w20: C83.2@494.72,2543.7 U2.4@542.05,2543.7